# Altium PCB SFarmGW.PcbDoc (part 1 of 2) (continued)
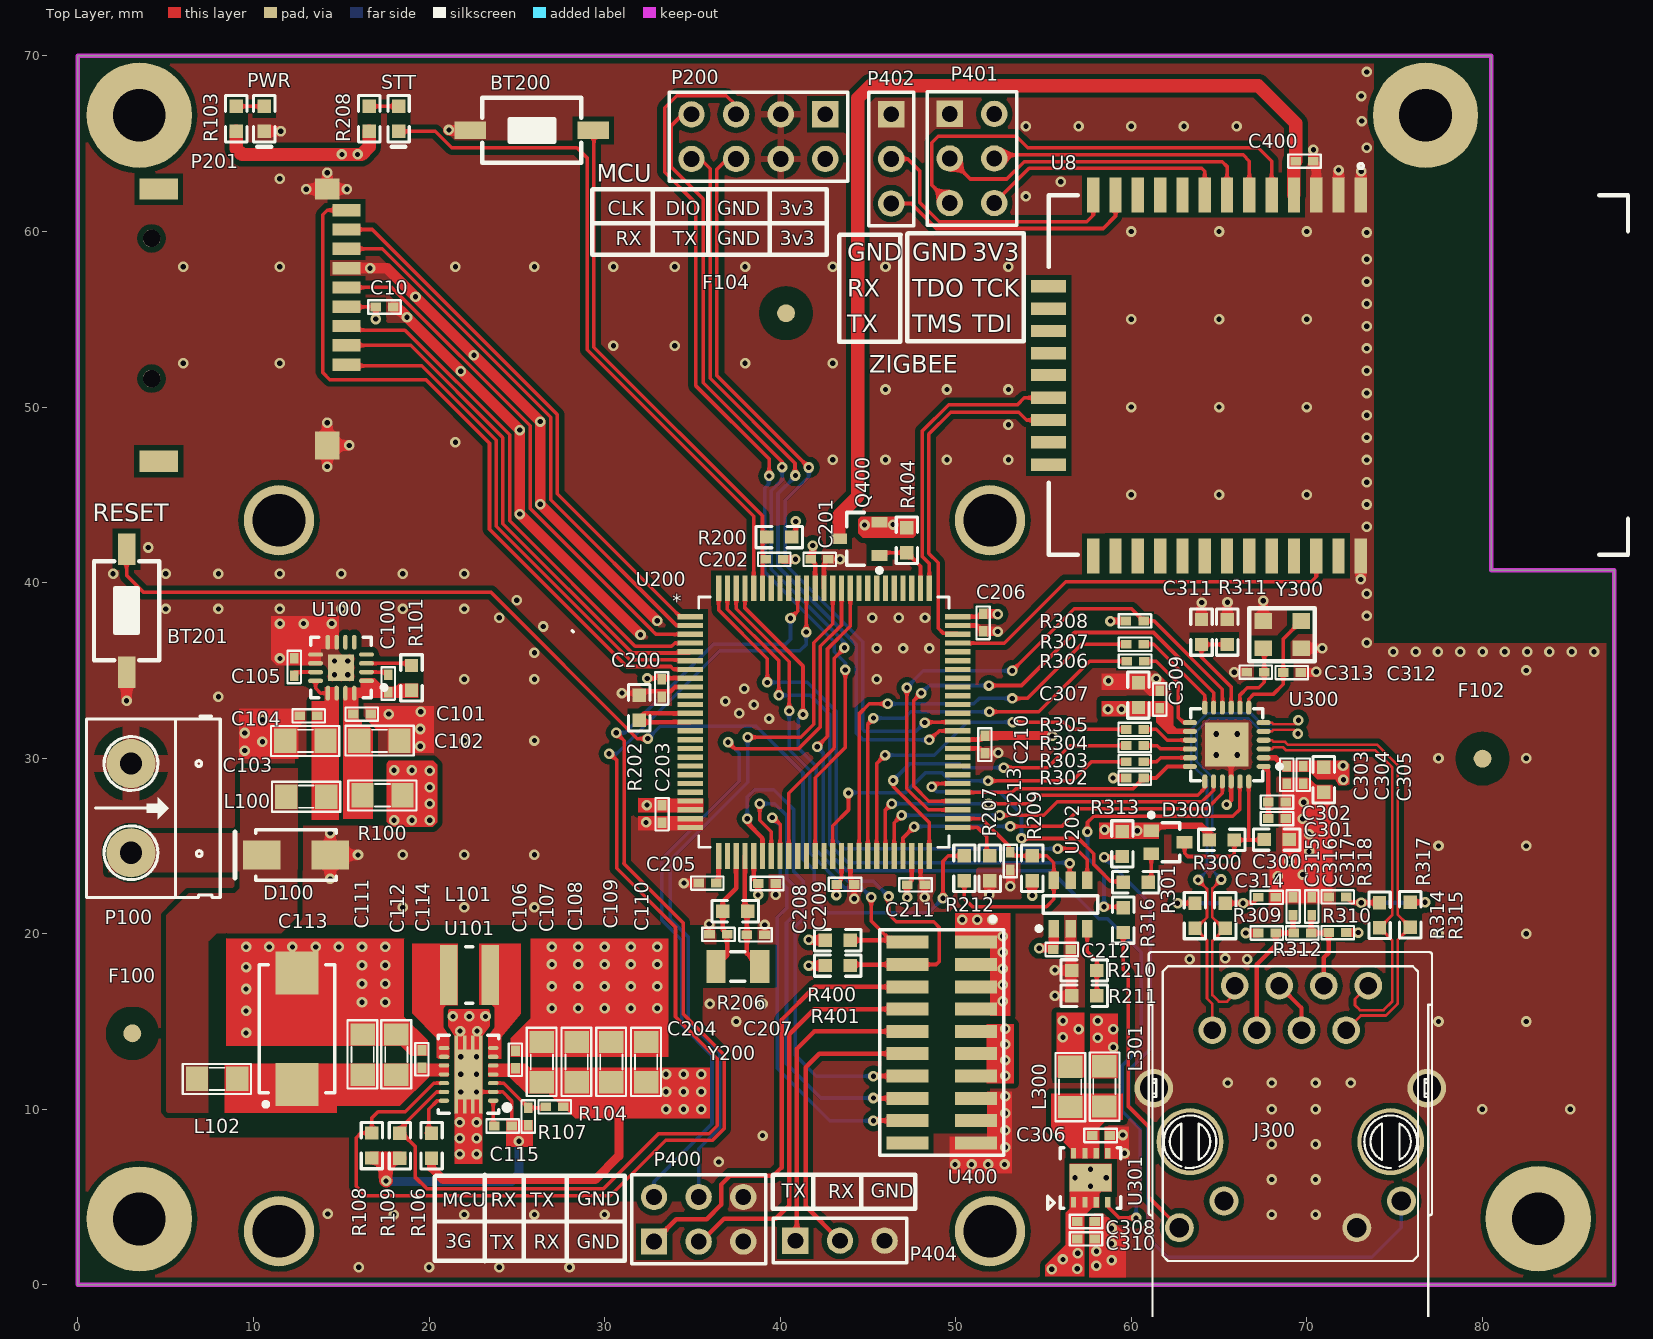
[diagram p0: Top Layer view]
## Components (designator, comment, footprint, x,y, rotation, side; value= is the part's Value field where it differs from the comment)
BT200 "Button" SWSMD 25.857,65.761 r0 top
BT201 "Button" SWSMD 2.769,38.405 r270 top
C10 "0.1µF" 0402C 17.45,55.702 r0 top
C100 "0.1µF" 0402C 17.678,34.265 r270 top
C101 "0.1µF" 0402C 16.18,32.512 r180 top
C102 "10µF" "0805 CAP" 18.313,30.988 r180 top
C103 "10µF" "0805 CAP" 11.811,30.988 r0 top
C104 "0.1µF" 0402C 13.132,32.41 r0 top
C105 "0.1µF" 0402C 12.319,35.204 r270 top
C106 "2.2µF" 0402C 24.917,12.83 r270 top
C107 "22µF" "0805 CAP" 26.423,13.828 r270 top
C108 "22µF" "0805 CAP" 28.405,13.828 r270 top
C109 "22µF" "0805 CAP" 30.386,13.828 r270 top
C110 "22µF" "0805 CAP" 32.367,13.828 r270 top
C111 "22µF" "0805 CAP" 16.213,14.26 r270 top
C112 "22µF" "0805 CAP" 18.143,14.26 r270 top
C113 "150uF" CAPD7343 12.477,14.582 r90 top
C114 "2.2µF" 0402C 19.591,12.863 r270 top
C115 "0.1µF" 0402C 24.206,9.046 r180 top
C200 "0.1µF" 0402C 33.249,33.985 r270 top
C201 "0.1µF" 0402C 42.24,41.326 r0 top
C202 "0.1µF" 0402C 39.675,41.326 r180 top
C203 "0.1µF" 0402C 33.274,26.822 r270 top
C204 "12pF" 0402C 36.474,19.964 r0 top
C205 "0.1µF" 0402C 35.865,22.885 r180 top
C206 "0.1µF" 0402C 51.562,37.719 r270 top
C207 "12pF" 0402C 38.608,19.939 r180 top
C208 "0.1µF" 0402C 39.243,22.86 r0 top
C209 "0.1µF" 0402C 43.713,22.809 r180 top
C210 "0.1µF" 0402C 51.664,30.785 r270 top
C211 "0.1µF" 0402C 47.727,22.784 r180 top
C212 "0.1µF" 0402C 56.058,19.101 r180 top
C213 "0.1µF" 0402C 53.111,24.13 r90 top
C300 "10µF" 0603C 68.336,25.365 r180 top
C301 "0.1µF" 0402C 68.31,26.559 r180 top
C302 "2.2µF" 0402C 68.31,27.499 r180 top
C303 "0.1µF" 0402C 68.854,29.048 r90 top
C304 "0.1µF" 0402C 69.794,29.048 r90 top
C305 "22µF" 0603C 70.962,28.718 r90 top
C306 "0.1µF" 0402C 58.268,8.509 r180 top
C307 "22µF" 0603C 60.411,33.645 r270 top
C308 "0.1µF" 0402C 57.429,3.607 r180 top
C309 "0.1µF" 0402C 61.62,33.35 r270 top
C310 "1uF" 0402C 57.429,2.616 r180 top
C311 "100pF" 0603C 64,37.236 r270 top
C312 "24pF" 0402C 69.156,34.874 r180 top
C313 "24pF" 0402C 67.073,34.9 r0 top
C314 "0.1µF" 0402C 67.732,22.073 r180 top
C315 "0.1µF" 0402C 69.218,21.565 r270 top
C316 "0.1µF" 0402C 70.284,21.565 r270 top
C317 "0.1µF" 0402C 71.745,22.098 r0 top
C400 "0.1uF" 0402C 69.875,64.008 r180 top
D100 "Diode zener" SMA-diode 12.421,24.486 r0 top
D300 "BAT54AWT1" SOT323 62.087,25.213 r0 top
F100 "Fiducials" fiducials 3.099,14.326 r90 top
F101 "Fiducials" fiducials 40.335,55.347 r180 bottom
F102 "Fiducials" fiducials 80.01,29.972 r90 top
F103 "Fiducials" fiducials 3.099,14.326 r90 bottom
F104 "Fiducials" fiducials 40.335,55.347 r90 top
F105 "Fiducials" fiducials 80.01,29.972 r90 bottom
J300 "RB1-125BAG1A" "RJ45 TRANFOMER" 63.348,8.153 r0 top
L100 "42" 0805F 11.862,27.813 r0 top
L101 "1uH" INDC4040X20N 22.301,17.653 r0 top
L102 "120" 0805F 6.782,11.735 r0 top
L300 "120" 0805F 56.515,10.135 r90 top
L301 "120" 0805F 58.471,10.16 r90 top
P100 "Header 2" HED2 3.023,29.693 r270 top
P200 "Header 4X2" HDR2X4 38.76,65.405 r180 top
P201 "Header 11" TF_V3 4.597,46.914 r270 top locked
P400 "Header 3X2" HDR2X3 35.357,3.734 r0 top
P401 "Header 3X2" HDR2X3 50.927,64.16 r270 top
P402 "Header 3" HDR1X3 46.33,64.135 r270 top
P404 "Header 3" HDR1X3 43.409,2.515 r0 top
PWR "" 0603LED-RED 10.617,66.472 r270 top
Q400 "AO3401" SOT23-3N 44.501,42.494 r180 top
R100 "0" "0805 RESISTOR" 16.205,27.889 r0 top
R101 "1.5k" 0603R 18.999,34.569 r270 top
R103 "1k" 0603R 9.017,66.421 r270 top
R104 "1M" 0402R 27.153,10.138 r0 top
R106 "1M" 0603R 20.142,7.928 r270 top
R107 "150k" 0402R 25.654,9.579 r90 top
R108 "47k" 0603R 16.746,7.936 r90 top
R109 "47k" 0603R 18.339,7.928 r90 top
R200 "10k" 0603R 39.954,42.596 r180 top
R202 "10k" 0603R 31.979,32.868 r270 top
R206 "1M" 0603R 37.44,21.285 r180 top
R207 "0.0" 0603R 51.943,23.724 r90 top
R208 "1k" 0603R 16.586,66.421 r270 top
R209 "10k" 0603R 54.356,23.724 r90 top
R210 "187k" 0603R 57.328,17.907 r0 top
R211 "182k" 0603R 57.328,16.459 r0 top
R212 "0.0" 0603R 50.495,23.724 r270 top
R300 "10k" 0603R 65.161,25.34 r0 top
R301 "0.0" 0603R 60.249,22.936 r0 top
R302 "1k" 0402R 60.208,28.87 r180 top
R303 "33" 0402R 60.208,29.793 r180 top
R304 "33" 0402R 60.208,30.716 r180 top
R305 "33" 0402R 60.208,31.639 r180 top
R306 "33" 0402R 60.233,35.525 r180 top
R307 "33" 0402R 60.208,36.49 r0 top
R308 "1k" 0402R 60.198,37.821 r0 top
R309 "0" 0402R 67.732,20.041 r180 top
R310 "0" 0402R 71.745,20.066 r0 top
R311 "6.49k" 0603R 65.473,37.186 r270 top
R312 "0" 0402R 69.751,20.041 r180 top
R313 "100" 0603R 59.496,25.111 r90 top
R314 "49.9" 0603R 63.627,21.031 r270 top
R315 "49.9" 0603R 65.354,21.031 r270 top
R316 "100" 0603R 59.538,20.777 r90 top
R317 "49.9" 0603R 75.895,21.082 r270 top
R318 "49.9" 0603R 74.143,21.057 r270 top
R400 "10k" 0603R 43.282,19.634 r180 top
R401 "10k" 0603R 43.282,18.186 r180 top
R404 "10k" 0603R 47.219,42.418 r90 top
STT "" 0603LED-GREEN 18.263,66.472 r270 top
U8 "VZIGMOD1" VZIGMOD2 55.296,62.078 r270 top locked
U100 "TPS7A7100" QFN16 14.986,35.154 r180 top
U101 "TPS63020QDSJRQ1" VSON14 22.25,11.992 r180 top
U200 "MK64FN1M0VLL12" LQFP-100_14X14X1 42.494,32.055 r0 top locked
U202 "TPL5010-Q1" SOT23-6 56.54,21.666 r90 top
U300 "KSZ8081RNACA" QFN24X 65.44,30.775 r180 top
U301 "TPS22969DNYR" WSON8 57.683,6.096 r90 top
U400 "Module 3G 5360E" "MODULE 3G" 9.2,0.8 r0 top locked
Y200 "32.768kHz" ABS07-CRYSTAL 37.592,18.136 r0 top
Y300 "Crystal 25Mhz" "3225 CRY" 68.597,37.033 r0 top

## Footprints (in the part's own frame and the unit in brackets; to place one, negate y for a bottom-side part, rotate by r counter-clockwise, add the part's x,y. Pads: shape width x height; smd on the part's side, far side on the other; paste and mask are expansions set on the pad)
0402C [mm]
  rect 0.6x0.5 smd: 1(-0.5,0) 2(0.5,0)
  silkscreen extent -0.91,-0.38 0.94,0.38, body extent -0.47,-0.26 0.53,0.26, height 0.37
0402R [mm]
  rect 0.6x0.5 smd: 1(-0.5,0) 2(0.5,0)
  silkscreen extent -0.91,-0.38 0.94,0.38, body extent -0.5,-0.25 0.5,0.25, height 0.35
0603C [mil]
  rect 30x30 smd: 1(-26,0) 2(30,0)
  silkscreen extent -50,-24 54,24, body extent -30,-16 33,16, height 35
0603LED-GREEN [mil]
  rect 30x30 smd: 1(-26,0) 2(30,0)
  silkscreen extent -50,-24 65,24, body extent -29,-16 33,16, height 24
0603LED-RED [mil]
  rect 30x30 smd: 1(-26,0) 2(30,0)
  silkscreen extent -50,-24 65,24, body extent -31,-16 32,16, height 24
0603R [mil]
  rect 30x30 smd: 1(-28,0) 2(28,0)
  silkscreen extent -52,-24 52,24, body extent -33,-16 33,16, height 23
"0805 CAP" [mil]
  rect 50x55 smd: 1(0,0) 2(90,0)
  silkscreen extent -32,-34 121,33, body extent 5,-27 85,23, height 24
"0805 RESISTOR" [mil]
  rect 50x55 smd: 1(0,0) 2(90,0)
  silkscreen extent -32,-34 121,33, body extent -1,-27 89,27, height 28
0805F [mil]
  rect 50x55 smd: 1(0,0) 2(90,0)
  silkscreen extent -32,-34 121,33, body extent 6,-27 85,23, height 33
"3225 CRY" [mm]
  rect 1x0.9 smd: 1(-1.075,-0.775) 2(1.075,-0.775) 3(1.075,0.775) 4(-1.075,0.775)
  silkscreen extent -1.88,-1.5 1.85,1.5, body extent -1.6,-1.25 1.6,1.25, height 0.8
ABS07-CRYSTAL [mm] "2-Leads, Body 3.20x1.50mm, IPC Medium Density"
  rect 1.1x1.9 smd: 1(-1.25,0) 2(1.25,0)
  silkscreen extent -0.4,-0.85 0.4,0.85, body extent -1.6,-0.71 1.62,0.81, height 0.92
CAPD7343 [mm] "SODFL, 2-Leads, Body 4.3x7.3mm, IPC Medium Density"
  rect 2.45x2.45 smd: 1(-3.175,0) 2(3.175,0)
  silkscreen extent -4.42,-2.15 3.65,2.15, body extent -3.77,-2.27 3.83,2.33, height 3.09
fiducials [mil]
  round 40 smd mask+40: ""(0,0)
  Top Layer pour cut-out: 0,-60 -22.96,-55.43 -42.43,-42.43 -55.43,-22.96 -60,0 -60,0 -55.43,22.96 -42.43,42.43 -22.96,55.43 0,60 0,60 22.96,55.43 42.43,42.43 55.43,22.96 60,0 60,0 55.43,-22.96 42.43,-42.43 22.96,-55.43 0,-60
HDR1X3 [mm] "Connector; Header; 3 Position"
  rect 1.5x1.5 hole 0.9: 1(-2.54,0)
  round 1.5 hole 0.9: 2(0,0) 3(2.54,0)
  silkscreen extent -3.81,-1.27 3.81,1.27
HDR2X3 [mm] "Connector; Header; 3x2 Position"
  rect 1.5x1.5 hole 0.9: 1(-2.54,-1.27)
  round 1.5 hole 0.9: 2(-2.54,1.27) 3(0,-1.27) 4(0,1.27) 5(2.54,-1.27) 6(2.54,1.27)
  silkscreen extent -3.81,-2.54 3.81,2.54
HDR2X4 [mm] "Connector; Header; 4x2 Position"
  rect 1.5x1.5 hole 0.9: 1(-3.81,-1.27)
  round 1.5 hole 0.9: 2(-3.81,1.27) 3(-1.27,-1.27) 4(-1.27,1.27) 5(1.27,-1.27) 6(1.27,1.27) 7(3.81,-1.27) 8(3.81,1.27)
  silkscreen extent -5.08,-2.54 5.08,2.54
HED2 [mil] "Header 2, 2 pin, hight 300mil, Pin to Pin 200, Colour Green"
  round 110 hole 50: 1(0,0) 2(200,0)
  silkscreen extent -106,-100 300,200, body extent -92,-140 302,155, height 394
INDC4040X20N [mm] "Chip Inductor, 2-Leads, Body 4.00x4.00mm, IPC Medium Density"
  rect 0.98x3.4 smd: 1(-1.185,0) 2(1.185,0)
  silkscreen extent -0.2,-1.6 0.2,1.6, body extent -2.15,-2.15 2.15,2.15, height 2
LQFP-100_14X14X1 [mm]
  rect 1.461x0.3 smd: 1(-7.625,6) 2(-7.625,5.5) 3(-7.625,5) 4(-7.625,4.5) 5(-7.625,4) 6(-7.625,3.5) 7(-7.625,3) 8(-7.625,2.5) 9(-7.625,2) 10(-7.625,1.5) 11(-7.625,1) 12(-7.625,0.5) 13(-7.625,0) 14(-7.625,-0.5) 15(-7.625,-1) 16(-7.625,-1.5) 17(-7.625,-2) 18(-7.625,-2.5) 19(-7.625,-3) 20(-7.625,-3.5) 21(-7.625,-4) 22(-7.625,-4.5) 23(-7.625,-5) 24(-7.625,-5.5) 25(-7.625,-6) 51(7.625,-6) 52(7.625,-5.5) 53(7.625,-5) 54(7.625,-4.5) 55(7.625,-4) 56(7.625,-3.5) 57(7.625,-3) 58(7.625,-2.5) 59(7.625,-2) 60(7.625,-1.5) 61(7.625,-1) 62(7.625,-0.5) 63(7.625,0) 64(7.625,0.5) 65(7.625,1) 66(7.625,1.5) 67(7.625,2) 68(7.625,2.5) 69(7.625,3) 70(7.625,3.5) 71(7.625,4) 72(7.625,4.5) 73(7.625,5) 74(7.625,5.5) 75(7.625,6)
  rect 0.3x1.461 smd: 26(-6,-7.625) 27(-5.5,-7.625) 28(-5,-7.625) 29(-4.5,-7.625) 30(-4,-7.625) 31(-3.5,-7.625) 32(-3,-7.625) 33(-2.5,-7.625) 34(-2,-7.625) 35(-1.5,-7.625) 36(-1,-7.625) 37(-0.5,-7.625) 38(0,-7.625) 39(0.5,-7.625) 40(1,-7.625) 41(1.5,-7.625) 42(2,-7.625) 43(2.5,-7.625) 44(3,-7.625) 45(3.5,-7.625) 46(4,-7.625) 47(4.5,-7.625) 48(5,-7.625) 49(5.5,-7.625) 50(6,-7.625) 76(6,7.625) 77(5.5,7.625) 78(5,7.625) 79(4.5,7.625) 80(4,7.625) 81(3.5,7.625) 82(3,7.625) 83(2.5,7.625) 84(2,7.625) 85(1.5,7.625) 86(1,7.625) 87(0.5,7.625) 88(0,7.625) 89(-0.5,7.625) 90(-1,7.625) 91(-1.5,7.625) 92(-2,7.625) 93(-2.5,7.625) 94(-3,7.625) 95(-3.5,7.625) 96(-4,7.625) 97(-4.5,7.625) 98(-5,7.625) 99(-5.5,7.625) 100(-6,7.625)
  silkscreen extent -7.13,-7.13 7.13,7.13, body extent -6.86,-6.86 6.86,6.86, height 0.3
"MODULE 3G" [mm]
  rect 2.4x0.74 smd: 1(41.95,18.715) 2(38.05,18.715) 3(41.95,17.445) 4(38.05,17.445) 5(41.95,16.175) 6(38.05,16.175) 7(41.95,14.905) 8(38.05,14.905) 9(41.95,13.635) 10(38.05,13.635) 11(41.95,12.365) 12(38.05,12.365) 13(41.95,11.095) 14(38.05,11.095) 15(41.95,9.825) 16(38.05,9.825) 17(41.95,8.555) 18(38.05,8.555) 19(41.95,7.285) 20(38.05,7.285)
  round 4 hole 3: ""(2.25,2.25) ""(2.25,42.75) ""(42.75,2.25) ""(42.75,42.75)
  silkscreen extent 36.47,6.57 43.53,20.16, body extent -0.02,0 45,45.48, height 11.59
QFN16 [mm] "QFN, 16-Leads, Body 3.00x3.00mm, Pitch 0.50mm, Thermal Pad 1.66x1.66mm, IPC Medium Density"
  oval 0.85x0.25 smd: 1(-1.45,0.75) 2(-1.45,0.25) 3(-1.45,-0.25) 4(-1.45,-0.75) 9(1.45,-0.75) 10(1.45,-0.25) 11(1.45,0.25) 12(1.45,0.75)
  oval 0.25x0.85 smd: 5(-0.75,-1.45) 6(-0.25,-1.45) 7(0.25,-1.45) 8(0.75,-1.45) 13(0.75,1.45) 14(0.25,1.45) 15(-0.25,1.45) 16(-0.75,1.45)
  rect 1.5x1.5 smd: 17(0,0)
  silkscreen extent -2.57,-1.73 1.73,1.73, body extent -1.58,-1.58 1.57,1.58, height 1
QFN24X [mm] "QFN, 24-Leads, Body 4.1x4.1mm (max), Pitch 0.50mm, IPC Low Density"
  oval 0.8x0.3 smd: 1(-2.1,1.25) 2(-2.1,0.75) 3(-2.1,0.25) 4(-2.1,-0.25) 5(-2.1,-0.75) 6(-2.1,-1.25) 13(2.1,-1.25) 14(2.1,-0.75) 15(2.1,-0.25) 16(2.1,0.25) 17(2.1,0.75) 18(2.1,1.25)
  oval 0.3x0.8 smd: 7(-1.25,-2.1) 8(-0.75,-2.1) 9(-0.25,-2.1) 10(0.25,-2.1) 11(0.75,-2.1) 12(1.25,-2.1) 19(1.25,2.1) 20(0.75,2.1) 21(0.25,2.1) 22(-0.25,2.1) 23(-0.75,2.1) 24(-1.25,2.1)
  rect 2.5x2.5 smd: 25(0,0)
  silkscreen extent -3.13,-2.05 2.05,2.05, body extent -2.05,-2.05 2.05,2.05, height 1.1
"RJ45 TRANFOMER" [mm]
  round 1.575 hole 1: 1(1.27,6.35) 2(2.54,8.89) 3(3.81,6.35) 4(5.08,8.89) 5(6.35,6.35) 6(7.62,8.89) 7(8.89,6.35) 8(10.16,8.89)
  round 2.2 hole 1.6: 9(-2.06,3.05) 10(13.49,3.05)
  round 1.65 hole 1.1: 11(12.04,-3.38) 12(9.5,-4.9) 13(1.93,-3.38) 14(-0.61,-4.9)
  round 3.81 hole 3.3: HM1(0,0) HM2(11.43,0)
  silkscreen extent -2.35,-10.79 13.78,10.8, body extent -2.3,-10.9 13.7,10.4, height 13.01
SMA-diode [mm] "SODFL, 2-Leads, Body 2.60x5.19mm, IPC Medium Density"
  rect 2.15x1.65 smd: 1(-1.95,0) 2(1.95,0)
  silkscreen extent -3.48,-1.45 2.3,1.45, body extent -2.7,-1.3 2.5,1.3, height 2.4
SOT23-3N [mm] "SOT23, 3-Leads, Body 2.90x2.30mm, Pitch 0.95mm, IPC Medium Density"
  rect 0.9x0.6 smd: 1(-1.15,0.95) 2(-1.15,-0.95) 3(1.15,0)
  silkscreen extent -1.28,-1.5 0.7,1.92, body extent -0.7,-1.5 0.7,1.5, height 1.1
SOT23-6 [mm] "SOT23, 6-Leads, Body 2.90x2.80mm, Pitch 0.95mm, IPC Medium Density"
  rect 1x0.6 smd: 1(-1.375,0.95) 2(-1.375,0) 3(-1.375,-0.95) 4(1.375,-0.95) 5(1.375,0) 6(1.375,0.95)
  silkscreen extent -1.5,-1.55 0.5,1.92, body extent -0.88,-1.52 0.87,1.53, height 1.45
SOT323 [mm] "SOT23, 3-Leads, Body 2.00x2.20mm, Pitch 0.65mm, IPC Medium Density"
  rect 0.9x0.7 smd: 1(-0.95,0.65) 2(-0.95,-0.65) 3(0.95,0)
  silkscreen extent -1.07,-1.1 0.67,1.67, body extent -0.67,-1.1 0.67,1.1, height 1
SWSMD [mm]
  rect 1.8x1 smd: 1(-3.5,0) 2(3.5,0)
  silkscreen extent -2.82,-1.85 2.82,1.85, body extent -3.05,-1.85 3.05,1.85, height 2.5
TF_V3 [mm]
  round 1 hole 1: 0(-12.7,-0.4) 0(-4.7,-0.4)
  rect 0.7x1.6 smd: 1(-5.5,10.7) 2(-6.6,10.7) 3(-7.7,10.7) 4(-8.8,10.7) 5(-9.9,10.7) 6(-11,10.7) 7(-12.1,10.7) 8(-13.2,10.7) 9(-14.3,10.7)
  rect 1.2x1.4 smd: 10(-15.5,9.6)
  rect 1.6x1.4 smd: 11(-0.9,9.6)
  rect 1.2x2.2 smd: 12(0,0) 13(-15.5,0)
  body extent -15.79,-4.46 0.31,10.54, height 1.85
VSON14 [mm] "PSON, 14-Leads, Body 4.00x3.00mm, Pitch 0.50mm, Thermal Pad 2.85x1.58mm, IPC Medium Density"
  oval 0.6x0.24 smd: 1(-1.4,1.503) 2(-1.4,1.003) 3(-1.4,0.503) 4(-1.4,0.003) 5(-1.4,-0.497) 6(-1.4,-0.997) 7(-1.4,-1.497) 8(1.4,-1.497) 9(1.4,-0.997) 10(1.4,-0.497) 11(1.4,0.003) 12(1.4,0.503) 13(1.4,1.003) 14(1.4,1.503)
  rect 0.2x0.85 smd: 15(-0.691,1.799) 15(-0.689,-1.799) 15(-0.231,1.799) 15(-0.229,-1.799) 15(0.229,1.799) 15(0.231,-1.799) 15(0.689,1.799) 15(0.691,-1.799)
  rect 1.58x2.85 smd: 15(0,0.003)
  silkscreen extent -2.34,-2.22 1.73,2.23, body extent -1.57,-2.07 1.58,2.08, height 1
VZIGMOD2 [mm]
  rect 2x0.7 smd: 1(0,17.78) 2(0,16.51) 3(0,15.24) 4(0,13.97) 5(0,12.7) 6(0,11.43) 7(0,10.16) 8(0,8.89) 9(0,7.62) 10(0,6.35) 11(0,5.08) 12(0,3.81) 13(0,2.54) 23(20.56,2.54) 24(20.56,3.81) 25(20.56,5.08) 26(20.56,6.35) 27(20.56,7.62) 28(20.56,8.89) 29(20.56,10.16) 30(20.56,11.43) 31(20.56,12.7) 32(20.56,13.97) 33(20.56,15.24) 34(20.56,16.51) 35(20.56,17.78)
  rect 0.7x2 smd: 14(5.2,0) 15(6.47,0) 16(7.74,0) 17(9.01,0) 18(10.25,0) 19(11.55,0) 20(12.82,0) 21(14.09,0) 22(15.36,0)
  silkscreen extent -1.79,0 20.5,33, body extent 0,0 20.5,33, height 2.05
WSON8 [mm] "PSON, 8-Leads, Body 3.00x3.00mm, Pitch 0.65mm, Thermal Pad 2.40x1.58mm, IPC Medium Density"
  rect 0.6x0.3 smd: 1(-1.4,0.975) 2(-1.4,0.325) 3(-1.4,-0.325) 4(-1.4,-0.975) 5(1.4,-0.975) 6(1.4,-0.325) 7(1.4,0.325) 8(1.4,0.975)
  rect 1.58x2.4 smd: 9(0,0)
  silkscreen extent -1.78,-1.73 1.73,2.44, body extent -1.58,-1.58 1.58,1.57, height 0.8

## Part data
C10 C100 C101 C104 C105 C115 C200 C201 C202 C203 C205 C206 C208 C209 C210 C211 C212 C213 C301 C303 C304 C306 C308 C309 C314 C315 C316 C317: library part CAP0.1u0402, "CAP CER 0.1UF 10V X7R 0402"
C102 C103: library part cap10u0805, "CAP CER 10UF 16V X7R 0805"
C106 C114 C302: library part cap2.2u0402, "CAP CER 2.2UF 16V X5R 0402"
C107 C108 C109 C110 C111 C112: library part cap22u0805, "CAP CER 22UF 16V X5R 0805"
C113: library part CAPTan150u7343, "CAP TANT 150UF 10V 10% 2917"
C204 C207: library part CAP12p0402, "CAP CER 12PF 50V NP0 0402"
C300: library part "cap SMD", "CAP CER 10UF 16V X6S 0603"
C305 C307: library part "cap SMD", "CAP CER 22UF 10V X5R 0603"
C310: library part "cap SMD", "CAP CER 1UF 10V X6S 0402"
C311: library part "cap SMD", "CAP CER 100PF 250V NP0 0603"
C312 C313: library part "cap SMD", "CAP CER 24PF 50V NP0 0402"
C400: library part CAP0.1u0402, "CAP CER 0.1UF 16V X7R 0402"
D300: library part "diodes barrier", "DIODE ARRAY SCHOTTKY 30V SOT323"
J300: library part RJ45, "CONN MAGJACK 1PORT 100 BASE-T"
L100: library part "Ferrite Bead", "FERRITE BEAD 42 OHM 0805 1LN"
L101: library part Inductor, "Fixed Inductors XFL4020 Low DCR Ind 1 uH 20% 11 A Compos"
L102 L300 L301: library part "Ferrite Bead"
P100: "Header, 2-Pin"
P200: "Header, 4-Pin, Dual row"
P201: "Header, 11-Pin"
P400 P401: "Header, 3-Pin, Dual row"
P402 P404: "Header, 3-Pin"
PWR: library part LedRed0603, "LED RED CLEAR 0603 SMD"
Q400: library part MOSFET-P1, "P-Channel MOSFET"
R100: library part RES00805, "RES SMD 0.0 OHM JUMPER 1/8W 0805"
R101: library part RES1k50603, "RES SMD 1.5K OHM 1% 1/10W 0603"
R103 R208: library part RES1k0603, "RES SMD 1K OHM 1% 1/10W 0603"
R104: library part RES1M0402, "RES SMD 1M OHM 1% 1/10W 0402"
R106 R206: library part RES1M0603, "RES SMD 1M OHM 1% 1/10W 0603"
R107: library part Resistor, "RES SMD 150K OHM 1% 1/10W 0402"
R108 R109: library part RES47k0603, "RES SMD 47K OHM 1% 1/10W 0603"
R200 R202 R209 R300 R400 R401 R404: library part RES10k0603, "RES SMD 10K OHM 1% 1/10W 0603"
R207 R212 R301: library part RES00603, "RES SMD 0.0OHM JUMPER 1/10W 0603"
R210: library part Resistor, "RES SMD 187K OHM 1% 1/10W 0603"
R211: library part Resistor, "RES SMD 182K OHM 1% 1/10W 0603"
R302 R308: library part RES1k0402, "RES SMD 1K OHM 1% 1/10W 0402"
R303 R304 R305 R306 R307: library part RES330402, "RES SMD 33 OHM 1% 1/10W 0402"
R309 R310 R312: library part RES00603, "RES SMD 0.0OHM JUMPER 1/10W 0402"
R311: library part RES1000603, "RES SMD 6.49KOHM 0.1% 1/10W 0603"
R313 R316: library part RES1000603, "RES SMD 100 OHM 1% 1/10W 0603"
R314 R315 R317 R318: library part Resistor, "RES SMD 49.9 OHM 1% 1/10W 0603"
STT: library part LedGreen0603, "LED GREEN CLEAR 0603 SMD"
U8: library part VZIGMOD2, "VNPT ZIGBEE MODULE V1 - No-PA"
U100: "IC REG LDO FIX/ADJ 1A 16QFN"
U101: library part TPS63020, "IC REG BUCK BST ADJ 3.5A"
U200: "IC MCU 32BIT 1MB FLASH 100LQFP"
U202: library part TPL5010, "IC TIMER W/WATCHDOG 6SOT"
U300: "IC TXRX ETHERNET 24QFN"
U301: library part TPS22969, "IC LOAD SWITCH 6A 8WSON"
Y200: library part CRYSTAL32.768, "CRYSTAL 32.7680KHZ 12.5PF SMD"
Y300: "CRYSTAL 25.0000MHZ 18PF SMD"

## Free pads (board coordinates)
  round 6 hole 3: ""(3.5,3.75) ""(3.5,66.624) ""(76.759,66.624) ""(83.185,3.759)

## Via types
v1: diameter 0.6, hole 0.3, Top Layer to Bottom Layer, tented both sides, 440 vias
v2: diameter 0.66, hole 0.33, Top Layer to Bottom Layer, tented both sides, 4 vias

## Nets (pads, with @x,y where several pads share a name; then routed paths per layer and width w, separated by ;. In a path a pad name is that pad's centre, name@x,y a point inside that pad or via, vN(x,y) a via of type N, cw(c..) or ccw(c..) an arc to the next point about the centre after c; other vN are vias at no path point)
3V3: C100.2 C101.2 C102.2 R100.1 R101.2 U100.1 U100.15 U100.16
3V3_K64: C10.1 C200.1 C201.1 C203.1 C206.1 C208.1 C209.2 C210.1 C211.2 C212.2 C308.2 C310.2 P200.1 P200.2 P201.4 P401.2 Q400.2 R100.2 R103.2 R200.1 R208.2 R209.1 R400.2 R401.2 R404.2 U200.8 U200.22 U200.23 U200.30 U200.40 U200.48 U200.61 U200.75 U200.89 U202.1 U301.1 U301.2 U301.3 U301.9 U400.9 U400.11 U400.13 | length 53.7
  Top Layer w0.203: P201.4@15.309,55.702 C10.1@16.95,55.702
  Top Layer w0.254: C10.1@16.95,55.702 16.967,55.685 v1(16.967,55.016) ; v1(32.436,34.544) 32.876,34.544 33.028,34.696 C200.1@33.079,34.646 ; C200.1@33.249,34.612 33.306,34.555 U200.8@34.869,34.555 ; U200.30@38.494,24.43 38.494,23.109 C208.1@38.743,22.86 v1(38.743,22.208) v1@38.735,22.2 ; R200.1@40.665,42.596 40.894,42.824 v1(40.894,43.485) ; v1@41.783,42.113 v1(41.859,42.113) ; C201.1@41.859,41.445 C201.1@41.74,41.326 41.994,41.072 U200.89@41.994,39.68 ; v1@43.213,22.2 C209.2@43.213,22.809 43.494,23.09 U200.40@43.494,24.43 ; Q400.2@45.651,43.444 45.966,43.129 R404.2@47.219,43.129 ; v1@47.269,22.022 v1(47.227,22.065) C211.2@47.227,22.784 47.494,23.051 U200.48@47.494,24.43 ; U200.61@50.119,31.055 51.434,31.055 C210.1@51.664,31.285 ; U200.75@50.119,38.055 51.398,38.055 C206.1@51.562,38.219 ; v1@52.383,38.219 v1(52.4,38.202)
  Top Layer w0.381: C201.1@41.859,41.445 v1(41.859,42.113)
  Top Layer w0.508: v1(41.631,18.186) R401.2@42.57,18.186 ; v1(41.631,19.66) 41.656,19.634 R400.2@42.57,19.634 ; C206.1@51.562,38.219 v1@52.383,38.219 ; C210.1@51.664,31.285 v1@55.499,31.285 ; v1(54.356,22.174) R209.1@54.356,23.012 ; v1(54.762,19.177) 55.59,19.177 U202.1@55.59,20.291
  Top Layer w0.762: R103.2@9.017,65.71 9.017,64.719 9.347,64.389 16.154,64.389 16.586,64.821 R208.2@16.586,65.71
  Power Plane w0.762: 42.57,42.697 42.596,42.672 ; P200.2@42.57,64.643 42.57,67.716 43.104,68.25 51.638,68.25 52.197,67.691 P401.2@52.197,66.7
  other v1: 55.474,0.889 56.921,0.914 56.109,1.448 56.947,1.803 57.683,5.613 56.794,6.096 58.572,6.096 57.683,6.579 52.832,11.913 52.832,12.802 52.832,13.691 52.832,14.58 43.205,22.2 18.009,26.467 19.025,26.467 20.041,26.467 32.41,27.33 20.041,27.407 20.041,28.346 20.041,29.286 18.009,29.312 19.025,29.312 55.499,31.267 44.806,43.282 46.431,43.307 15.037,64.389 15.926,64.389
3V8: C106.2 C107.2 C108.2 C109.2 C110.2 R104.2 R106.2 U101.4 U101.5 U400.1 U400.3 U400.5 U400.7 | length 14.8
  Top Layer w0.508: R106.2@20.142,7.217 20.142,6.655 20.803,5.994 29.464,5.994 30.81,7.341 30.81,10.087
  other v1: 33.5,10 34.5,10 35.5,10 33.5,11 34.5,11 35.5,11 33.5,12 34.5,12 35.5,12 52.68,16.154 52.68,17.084 52.68,18.014 52.68,18.943 52.68,19.863 50.368,20.803 51.232,20.803 52.095,20.803
BT_CONTROL: BT200.2 C202.2 R200.2 U200.95 | length 30.5
  Top Layer w0.203: BT200.2@29.357,66.142 29.388,66.111 29.388,53.416 38.994,43.81 U200.95@38.994,39.68
CD_SD: P201.9 U200.7 | length 42.2
  Top Layer w0.203: P201.9@15.297,61.214 14.198,61.214 13.945,60.96 13.945,51.968 14.351,51.562 19.83,51.562 23.444,47.948 23.444,43.045 31.267,35.222 33.759,35.222 33.917,35.065 34.869,35.065 U200.7@34.869,35.055 33.926,35.055
CMD_SD: P201.3 U200.4 | length 30.1
  Top Layer w0.203: P201.3@15.297,54.614 15.53,54.381 18.627,54.381 24.587,48.421 24.587,43.519 31.733,36.373 33.807,36.373 33.989,36.555 U200.4@34.869,36.555
DAT0: P201.7 U200.2 | length 31.2
  Top Layer w0.203: P201.7@15.297,59.014 17.326,59.014 26.924,49.416 26.924,44.724 34.093,37.555 U200.2@34.869,37.555
DAT1: P201.8 U200.1 | length 31.4
  Top Layer w0.203: P201.8@15.297,60.114 16.765,60.114 27.305,49.573 27.305,45.06 U200.1@34.31,38.055
  Top Layer w0.254: U200.1@34.31,38.055 U200.1@34.869,38.055
DAT2_SD: P201.1 U200.6 | length 29.4
  Top Layer w0.203: P201.1@15.297,52.414 15.362,52.349 19.581,52.349 23.825,48.105 23.825,43.203 31.425,35.603 34.821,35.603 U200.6@34.869,35.555
DAT3_SD: P201.2 U200.5 | length 29.7
  Top Layer w0.203: P201.2@15.297,53.514 18.956,53.514 24.206,48.263 24.206,43.361 31.575,35.992 34.806,35.992 U200.5@34.869,36.055
DETECT11: R401.1 U200.97 U400.4 | length 33.3
  Top Layer w0.203: U200.97@37.994,39.68 37.994,38.552 41.3,35.246 ; v1(41.3,32.487) 41.3,35.23 ; v1(46.177,22.123) 46.177,21.107 46.609,20.676 48.743,20.676 49.073,20.345 49.073,18.44 48.877,18.245 U400.4@47.25,18.245
  Top Layer w0.254: R401.1@43.993,18.186 44.051,18.245 U400.4@47.25,18.245
  Bottom Layer w0.203: v1(41.3,32.487) 41.021,32.207 41.021,30.582 42.062,29.54 42.062,24.77 43.846,22.987 45.314,22.987 v1(46.177,22.123)
DETECT12: R400.1 U200.98 U400.2 | length 27.6
  Top Layer w0.203: U200.98@37.494,39.68 37.494,38.513 40.513,35.495 v1(40.513,32.69) ; v1(45.187,22.073) 45.187,20.726 46.279,19.634 46.398,19.515 U400.2@47.25,19.515
  Top Layer w0.254: R400.1@43.993,19.634 U400.2@46.279,19.634
  Bottom Layer w0.203: v1(40.513,32.69) 40.513,30.485 41.681,29.317 41.681,24.613 43.688,22.606 44.653,22.606 v1(45.187,22.073)
DONE: U200.100 U202.4 | length 34.4
  Top Layer w0.203: U200.100@36.494,39.68 36.494,38.436 39.268,35.662 v1(39.268,34.315) ; v1(55.804,24.841) 56.871,24.841 57.49,24.221 U202.4@57.49,23.041
  Bottom Layer w0.203: v1(39.268,34.315) 41.534,34.315 43.205,32.644 43.205,25.298 43.663,24.841 v1(55.804,24.841)
EN_ZB: Q400.1 R404.1 U200.77 | length 4
  Top Layer w0.203: Q400.1@45.651,41.544 45.813,41.707 R404.1@47.219,41.707 47.994,40.931 U200.77@47.994,39.68
ENET1_RX_N: J300.8 R318.2 U300.3 | length 25.7
  Top Layer w0.152: U300.3@67.54,30.525 68.016,30.525 68.114,30.623 68.631,30.623 68.799,30.455 73.889,30.455 74.867,29.477 74.867,21.069 R318.2@74.143,20.345 74.867,19.621 74.867,16.142 74.371,15.646 73.025,15.646 72.746,15.926 72.746,16.281 J300.8@73.508,17.043
ENET1_RX_P: J300.7 R317.2 U300.4 | length 26
  Top Layer w0.152: U300.4@67.54,31.025 68.016,31.025 68.114,30.928 68.757,30.928 68.925,30.759 74.016,30.759 75.171,29.604 75.171,21.095 R317.2@75.895,20.371 75.171,19.647 75.171,16.015 75.162,16.006 ; J300.7@72.238,14.503 73.076,15.342 74.498,15.342 75.162,16.005
ENET1_TX_N: J300.2 R315.2 U300.5 | length 27.1
  Top Layer w0.152: v1(65.126,23.089) 64.618,22.581 64.618,20.93 65.151,20.396 65.278,20.396 R315.2@65.354,20.32 64.618,19.583 64.618,16.51 64.999,16.129 65.456,16.129 65.888,16.561 J300.2@65.888,17.043 ; U300.5@67.54,31.525 68.016,31.525 68.114,31.623 69.266,31.623 v1(69.494,31.394)
  Bottom Layer w0.152: v1(65.126,23.089) 64.618,23.597 64.618,28.904 63.716,29.807 63.716,31.509 64.464,32.258 66.675,32.258 67.285,31.648 67.31,31.623 69.266,31.623 v1(69.494,31.394)
ENET1_TX_P: J300.1 R314.2 U300.6 | length 27.6
  Top Layer w0.152: v1(63.805,23.063) 64.313,22.555 64.313,20.93 63.779,20.396 63.703,20.396 R314.2@63.627,20.32 64.313,19.634 64.313,16.307 64.618,16.002 J300.1@64.618,14.503 ; U300.6@67.54,32.025 68.016,32.025 68.114,31.928 69.291,31.928 v1(69.52,32.156)
  Bottom Layer w0.152: v1(63.805,23.063) 64.313,23.571 64.313,28.778 63.5,29.591 63.411,29.68 63.411,31.635 64.338,32.563 66.801,32.563 66.891,32.474 67.436,31.928 69.291,31.928 v1(69.52,32.156)
ETHERNET_VCC_CTRL: U200.85 U301.4 | length 54.4
  Top Layer w0.203: v1(42.113,30.658) 42.697,31.242 42.697,36.22 43.994,37.517 U200.85@43.994,39.68 ; U301.4@58.658,4.696 58.658,4.461 59.309,3.81 v1(60.274,3.81)
  Bottom Layer w0.203: v1@42.139,30.607 42.443,30.302 42.443,24.928 43.775,23.597 55.397,23.597 58.141,20.853 58.649,20.853 60.579,18.923 60.579,13.589 59.487,12.497 59.487,9.881 60.503,8.865 60.503,4.826 60.274,4.597 v1(60.274,3.81)